# Altium PCB M2FS FLS Data Formatter 8_14_2012.PcbDoc (part 3 of 3)
Units mil, origin at the board's own origin, x right, y up, seen from the top; angles counter-clockwise.
Board outline 3350 x 3370 mil, 8 copper layers (Top Layer, Internal Plane 1, Mid-Layer 1, Mid-Layer 2, MidLayer3, Mid-Layer 4, Internal Plane 2, Bottom Layer), stack 60.7 mil thick; 134 components, 130 nets, 795 pads, 50 vias.
Unrouted connection lines stored in the file: 81.
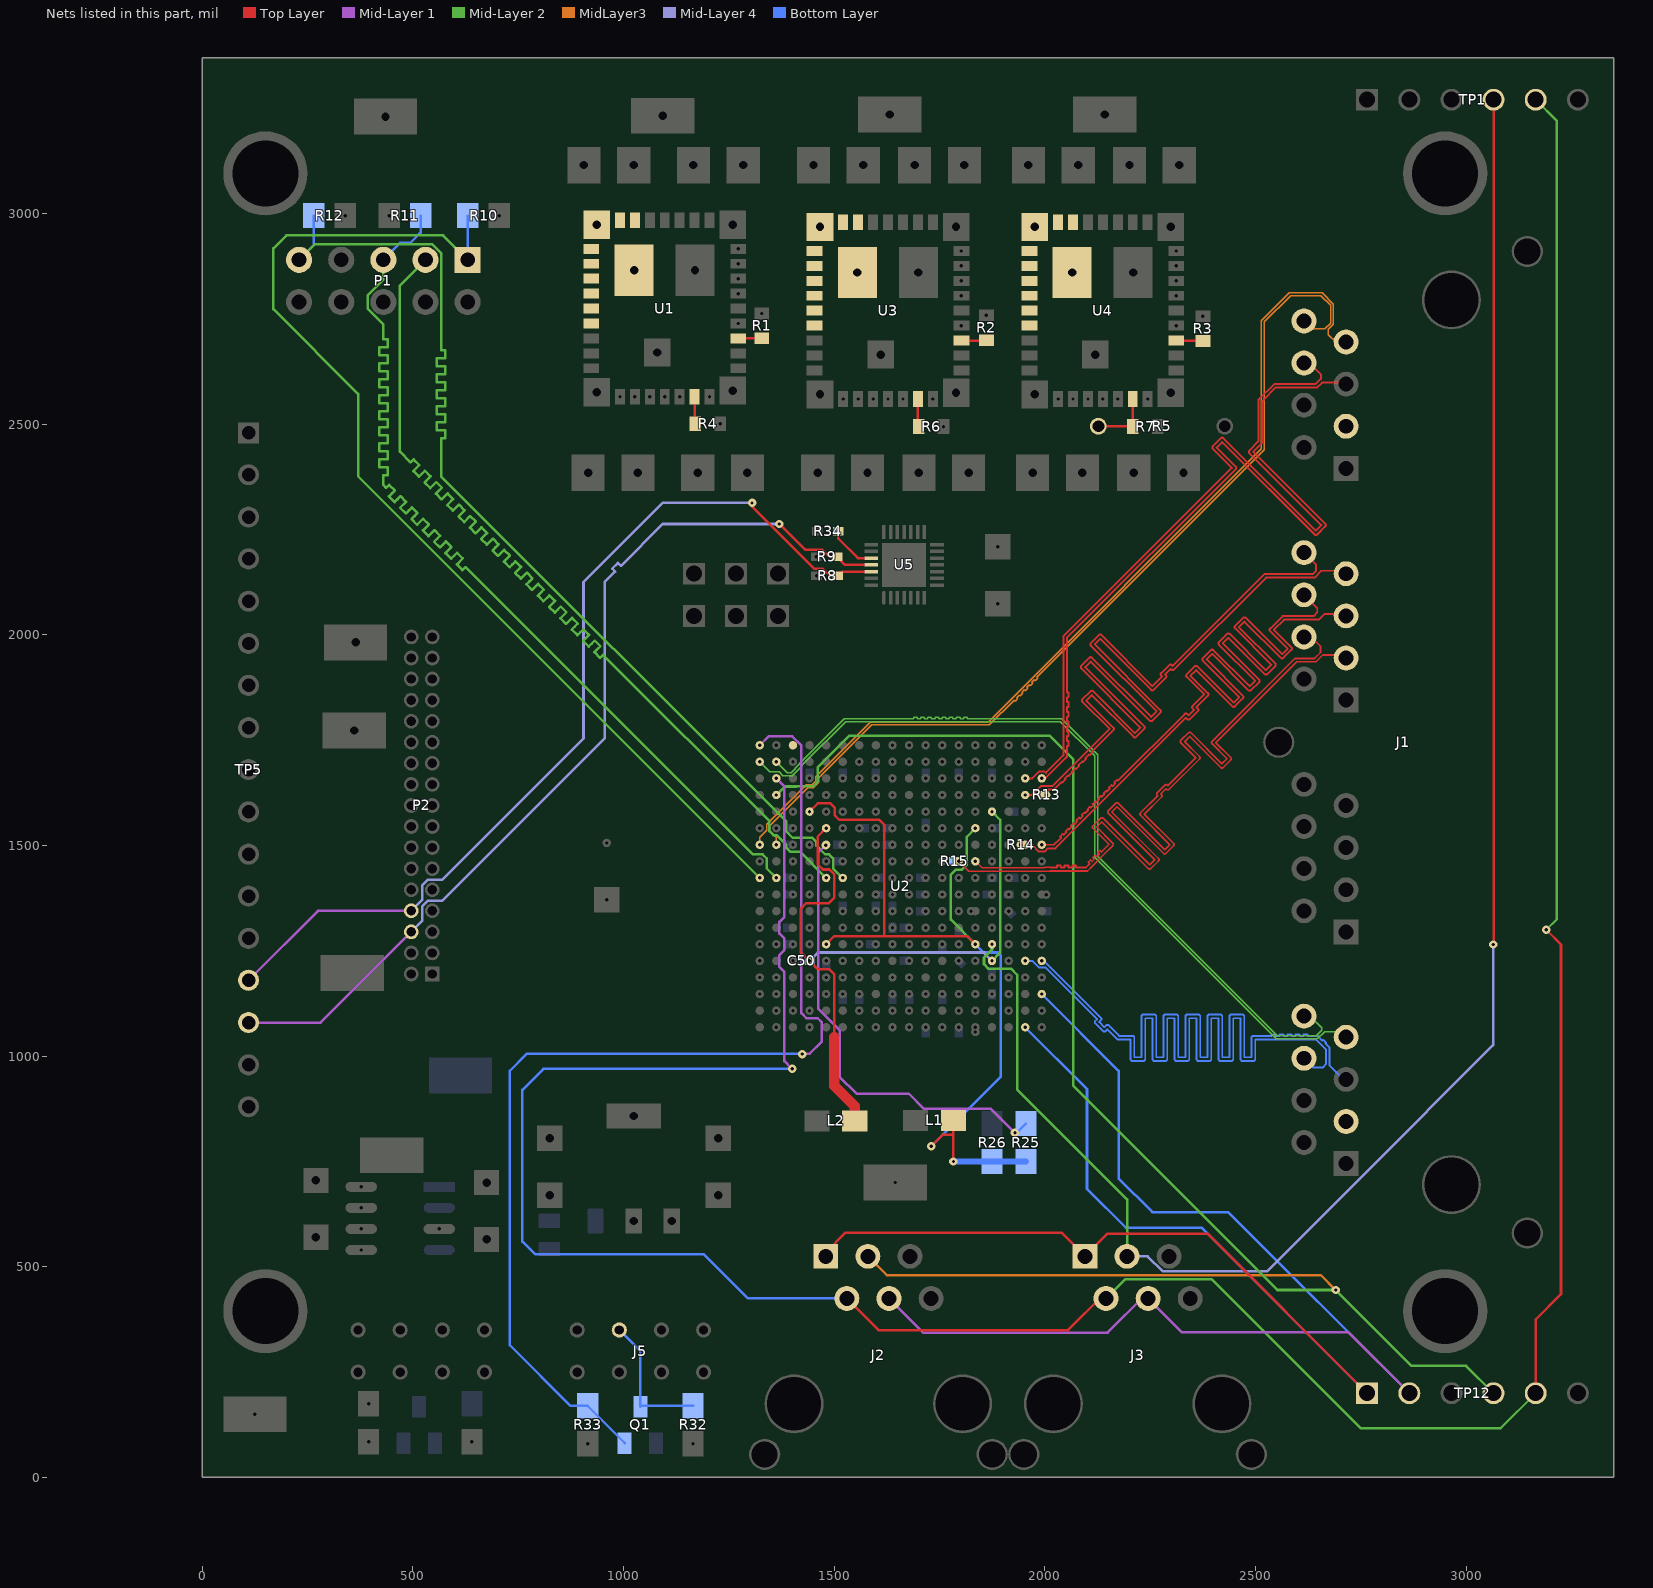
[diagram p9: the nets of this part, all layers, seen from the top]

## Via types
v1: diameter 20, hole 8, Top Layer to Bottom Layer, 49 vias
v2: diameter 20, hole 8, Top Layer to Bottom Layer, tented bottom, 1 vias

## Nets (pads, with @x,y where several pads share a name; then routed paths per layer and width w, separated by ;. In a path a pad name is that pad's centre, name@x,y a point inside that pad or via, vN(x,y) a via of type N, cw(c..) or ccw(c..) an arc to the next point about the centre after c; other vN are vias at no path point) (continued)
LVDS_CHANNEL_6_N: J1.C6 U2.H14 | length 2011.5
  Top Layer w4: U2.H14@1835.17,1462.37 1850.67,1446.87 1999.07,1446.87 2000.2,1448 2013,1448 ; 2097.69,1448 2106.17,1456.49 2102.64,1460.02 2108.29,1465.68 2111.83,1462.14 2117.49,1467.8 2113.95,1471.33 2119.61,1476.99 2123.14,1473.46 2128.8,1479.11 2125.26,1482.65 2130.92,1488.31 2134.46,1484.77 2152.35,1502.67 2114.29,1540.73 cw(c2117.26,1543.7) 2114.29,1546.66 2132.24,1564.62 cw(c2135.21,1561.65) 2138.17,1564.62 2248.58,1454.21 2260.6,1466.23 2150.2,1576.64 cw(c2153.16,1579.6) 2150.2,1582.57 2168.15,1600.52 cw(c2171.11,1597.56) 2174.08,1600.52 2284.49,1490.12 2296.51,1502.14 2227.13,1571.51 cw(c2230.1,1574.48) 2227.13,1577.44 2267.85,1618.17 2266.58,1619.44 ; 2266.57,1619.45 cw(c2269.54,1622.41) 2266.58,1625.38 2284.53,1643.33 cw(c2287.5,1640.36) 2290.45,1643.34 ; 2290.47,1643.32 2291.74,1642.05 2358,1708.31 2322.78,1743.53 cw(c2325.74,1746.49) 2322.78,1749.46 2340.73,1767.41 cw(c2343.7,1764.45) 2346.66,1767.41 2420.06,1694.01 2432.08,1706.03 2396.87,1741.25 cw(c2399.83,1744.21) 2396.87,1747.18 2593.69,1944 2640,1944 2654,1958 2654,1973 2632,1995 2615,1995
  Top Layer w4.55: 2013,1448 2028.55,1448 2028.55,1453 2037.65,1453 2037.65,1448 2046.75,1448 2046.75,1453 2055.85,1453 2055.85,1448 2064.95,1448 2064.95,1453 2074.05,1453 2074.05,1448 2097.69,1448
LVDS_CHANNEL_6_P: J1.C3 R15.2 U2.H13 | length 2011.3
  Top Layer w4: U2.H13@1795.8,1462.37 1819.17,1439 1847.22,1439 1847.35,1438.87 2012.42,1438.87 2013,1439.45 ; 2101,1439.45 2112.1,1450.55 2140.39,1478.84 2161.25,1499.7 ccw(c2158.29,1502.67) 2162.48,1502.67 ccw(c2158.29,1502.67) 2161.25,1505.63 2123.19,1543.7 2135.21,1555.72 2245.61,1445.31 ccw(c2248.58,1448.28) 2251.55,1445.31 2269.5,1463.26 ccw(c2266.53,1466.23) 2270.73,1466.23 ccw(c2266.53,1466.23) 2269.5,1469.2 2159.09,1579.6 2171.11,1591.62 2281.52,1481.22 ccw(c2284.49,1484.18) 2287.45,1481.22 2305.4,1499.17 ccw(c2302.44,1502.14) 2306.63,1502.14 ccw(c2302.44,1502.14) 2305.4,1505.1 2236.03,1574.48 2276.75,1615.2 ccw(c2273.79,1618.17) 2277.98,1618.17 ccw(c2273.79,1618.17) 2276.74,1621.14 2275.47,1622.41 2287.5,1634.43 2288.76,1633.16 ccw(c2291.74,1636.12) 2294.7,1633.15 2366.89,1705.34 ccw(c2363.93,1708.31) 2368.12,1708.31 ccw(c2363.93,1708.31) 2366.89,1711.28 2331.68,1746.49 2343.7,1758.51 2417.1,1685.11 ccw(c2420.06,1688.08) 2423.03,1685.11 2440.98,1703.06 ccw(c2438.02,1706.03) 2442.21,1706.03 ccw(c2438.02,1706.03) 2440.98,1709 2405.76,1744.21 2597.55,1936 2643.31,1936 2659.31,1952 2708,1952 J1.C3@2715,1945
  Top Layer w4.55: 2013,1439.45 2101,1439.45
  MidLayer3 w3.5: J1.C3@2704,1956 J1.C3@2715,1945
LVDS_CHANNEL_7_N: J1.C4 U2.G18 | length 2009.7
  Top Layer w4.55: U2.G18@1992.65,1501.74 2021.26,1501.74 2038.35,1518.83 2036.23,1520.95 2042.66,1527.38 2044.78,1525.26 2051.22,1531.7 2049.09,1533.82 2055.53,1540.25 2057.65,1538.13 2064.09,1544.57 2061.96,1546.69 2068.4,1553.12 2070.52,1551 2076.95,1557.43 2074.83,1559.56 2081.27,1565.99 2083.39,1563.87 2089.82,1570.3 2087.7,1572.43 2094.14,1578.86 2096.26,1576.74 2102.69,1583.17 2100.57,1585.29 2107.01,1591.73 2109.13,1589.61 2115.56,1596.04 2113.44,1598.16 2119.88,1604.6 2122,1602.48 2128.43,1608.91 2126.31,1611.03 2132.75,1617.47 2134.87,1615.35 2141.3,1621.78 2139.18,1623.9 2145.61,1630.34 2147.74,1628.22 2154.17,1634.65 2152.05,1636.77 2158.48,1643.21 2160.61,1641.09 2167.04,1647.52 2164.92,1649.64 2171.35,1656.08 2173.47,1653.95 2331.52,1812 cw(c2334.54,1808.97) 2337.56,1812 2340.9,1808.66 2354.02,1821.77 2350.68,1825.11 cw(c2353.7,1828.14) 2350.68,1831.16 2378.09,1858.58 2336.55,1900.12 cw(c2339.57,1903.15) 2336.55,1906.17 2355.71,1925.33 cw(c2358.73,1922.31) 2361.76,1925.33 2447.87,1839.21 2460.99,1852.33 2374.87,1938.45 cw(c2377.89,1941.47) 2374.87,1944.49 2394.03,1963.66 cw(c2397.06,1960.63) 2400.08,1963.66 2486.2,1877.54 2499.32,1890.65 2413.2,1976.77 cw(c2416.22,1979.8) 2413.2,1982.82 2432.36,2001.98 cw(c2435.38,1998.96) 2438.41,2001.98 2524.52,1915.86 2537.64,1928.98 2451.52,2015.1 cw(c2454.55,2018.12) 2451.52,2021.14 2470.68,2040.31 cw(c2473.71,2037.28) 2476.73,2040.31 2562.85,1954.19 2575.97,1967.3 2534.42,2008.85 cw(c2537.44,2011.88) 2534.42,2014.9 2564.07,2044.55 2638.1,2044.55 2646.55,2053 2646.55,2063.45 2615,2095
LVDS_CHANNEL_7_P: J1.C5 R14.2 U2.G17 | length 2009.9
  Top Layer w4.55: U2.G17@1953.28,1501.74 1969.63,1501.74 1985.9,1485.47 1999.39,1485.47 2007.11,1493.19 2017.72,1493.19 2024.8,1493.19 2334.54,1802.93 2337.88,1799.59 ccw(c2340.9,1802.61) 2343.93,1799.59 2363.09,1818.75 ccw(c2360.07,1821.77) 2364.34,1821.77 ccw(c2360.07,1821.77) 2363.09,1824.79 2359.75,1828.14 2387.16,1855.55 ccw(c2384.14,1858.58) 2388.42,1858.58 ccw(c2384.14,1858.58) 2387.16,1861.6 2345.62,1903.15 2358.73,1916.26 2444.85,1830.14 ccw(c2447.87,1833.17) 2450.9,1830.14 2470.06,1849.31 ccw(c2467.04,1852.33) 2471.31,1852.33 ccw(c2467.04,1852.33) 2470.06,1855.35 2383.94,1941.47 2397.06,1954.59 2483.18,1868.47 ccw(c2486.2,1871.49) 2489.22,1868.47 2508.39,1887.63 ccw(c2505.36,1890.65) 2509.64,1890.65 ccw(c2505.36,1890.65) 2508.39,1893.68 2422.27,1979.8 2435.38,1992.91 2521.5,1906.79 ccw(c2524.52,1909.82) 2527.55,1906.79 2546.71,1925.96 ccw(c2543.69,1928.98) 2547.96,1928.98 ccw(c2543.69,1928.98) 2546.71,1932 2460.59,2018.12 2473.71,2031.24 2559.83,1945.12 ccw(c2562.85,1948.14) 2565.87,1945.12 2585.04,1964.28 ccw(c2582.01,1967.3) 2586.29,1967.3 ccw(c2582.01,1967.3) 2585.04,1970.33 2543.49,2011.88 2567.61,2036 2650.09,2036 2663.05,2048.95 2711.04,2048.95 J1.C5@2715,2045
LVDS_CHANNEL_8_N: J1.C7 R13.1 U2.D18 | length 2011.1
  Top Layer w4.55: U2.D18@1992.65,1619.85 1997.82,1625.03 2005.8,1633 2022,1633 2039.25,1650.25 2040.66,1648.84 2048.83,1657 2047.42,1658.42 2055.58,1666.58 2057,1665.17 2065.17,1673.34 2063.75,1674.75 2071.92,1682.92 2073.33,1681.5 2081.5,1689.67 2080.09,1691.09 2088.25,1699.25 2089.67,1697.84 2097.83,1706.01 2096.42,1707.42 2104.59,1715.59 2106,1714.17 2114.17,1722.34 2112.75,1723.75 2162.58,1773.58 ccw(c2159.56,1776.6) 2163.83,1776.6 ccw(c2159.56,1776.6) 2162.58,1779.63 2098.33,1843.88 2111.44,1857 2210.74,1757.71 ccw(c2213.76,1760.73) 2216.78,1757.71 2235.94,1776.87 ccw(c2232.92,1779.89) 2237.2,1779.89 ccw(c2232.92,1779.89) 2235.94,1782.91 2095.4,1923.45 2108.52,1936.57 2249.06,1796.03 ccw(c2252.08,1799.05) 2255.11,1796.03 2274.27,1815.19 ccw(c2271.25,1818.22) 2275.52,1818.22 ccw(c2271.25,1818.22) 2274.27,1821.24 2118.29,1977.22 2131.41,1990.33 2252.35,1869.39 ccw(c2255.37,1872.42) 2258.39,1869.39 2287.08,1898.08 ccw(c2284.06,1901.1) 2288.33,1901.1 ccw(c2284.06,1901.1) 2287.08,1904.13 2285.15,1906.05 2298.27,1919.17 2300.2,1917.24 ccw(c2303.22,1920.27) 2306.24,1917.24 2525,2136 2640,2136 2656,2152 2708,2152 J1.C7@2715,2145
LVDS_CHANNEL_8_P: J1.C8 U2.D17 | length 2011.5
  Top Layer w4.55: U2.D17@1953.28,1619.85 1969.63,1619.85 1991.33,1641.55 2018.46,1641.55 2153.51,1776.6 2089.26,1840.86 cw(c2092.28,1843.88) 2089.26,1846.9 2108.42,1866.07 cw(c2111.44,1863.04) 2114.47,1866.07 2213.76,1766.77 2226.88,1779.89 2086.34,1920.43 cw(c2089.36,1923.45) 2086.34,1926.48 2105.5,1945.64 cw(c2108.52,1942.62) 2111.54,1945.64 2252.08,1805.1 2265.2,1818.22 2109.22,1974.19 cw(c2112.25,1977.22) 2109.22,1980.24 2128.39,1999.4 cw(c2131.41,1996.38) 2134.43,1999.4 2255.37,1878.46 2278.01,1901.1 2276.09,1903.03 cw(c2279.11,1906.05) 2276.09,1909.08 2295.25,1928.24 cw(c2298.27,1925.22) 2301.29,1928.24 2303.22,1926.31 2518.95,2142.05 2521.46,2144.55 2636.46,2144.55 2643.95,2152.05 2643.95,2166.04 J1.C8@2615,2195
NetL1_2: C50.1 L2.2 U2.E15 U2.F5 U2.P4 U2.P15 | length 1681
  Top Layer w6: U2.F5@1480.83,1541.11 1461,1521.28 1461,1455.33 1473.33,1443 1488.83,1443 1499.83,1432 1499.83,1375.76 1487.33,1363.26 1433.59,1363.26 1422.46,1352.13 1422.46,1351.37 1421.09,1350 1421.09,1246.52 U2.P4@1441.46,1226.15 1461.83,1205.78 1488.7,1205.78 1500,1194.48 1500,1045
  Top Layer w25: 1500,1045 1500,930 1549,881 L2.2@1549,846.31
  Mid-Layer 2 w6: U2.P15@1874.54,1226.15 1894,1245.61 1894,1561.02 U2.E15@1874.54,1580.48
  Mid-Layer 4 w6: U2.P4@1441.46,1226.15 1461.32,1246 1854.68,1246 U2.P15@1874.54,1226.15
NetL2_2: L1.2 R25.2 R26.2 U2.E4 U2.F14 U2.N5 U2.N14 | length 2110.7
  Top Layer w6: U2.E4@1441.46,1580.48 1460.98,1600 1491,1600 1501,1590 1501,1572 1512,1561 1607,1561 1619,1549 1619,1285.52 1620,1284.52 ; U2.N5@1480.83,1265.52 1499.83,1284.52 1620,1284.52 ; v1(1730,786) 1757,813 1782,813 1783,814 ; v1(1783,750) 1783,814 ; L1.2@1783,847.31 1783,814 ; U2.N14@1835.17,1265.52 1816.17,1284.52 1620,1284.52
  Mid-Layer 2 w6: U2.N14@1835.17,1265.52 1776.8,1323.89 1776.8,1430.87 1787.93,1442 1802.3,1442 1814.8,1454.5 1814.8,1520.74 U2.F14@1835.17,1541.11
  Bottom Layer w6: v1(1730,786) 1895,951 1895,1239 1888,1246 1854.68,1246 U2.N14@1835.17,1265.52
  Bottom Layer w15: v1(1783,750) R26.2@1875,750 R25.2@1955,750
NetR1_1: R1.1 U1.4 | length 56
  Top Layer w6: U1.4@1272.05,2703.58 1327.89,2703.58 R1.1@1328,2703.47
NetR2_1: R2.1 U3.4 | length 59.5
  Top Layer w6: U3.4@1801.93,2698.47 1859.99,2698.47 R2.1@1861,2699.47
NetR3_1: R3.1 U4.4 | length 63.5
  Top Layer w6: U4.4@2311.93,2698.47 2374.01,2698.47 R3.1@2375,2697.47
NetR4_1: R4.1 U1.35 | length 64.5
  Top Layer w6: U1.35@1168.7,2564.8 1168.7,2502.77 R4.1@1170.47,2501
NetR5_2: R5.2 R7.1 U4.35 | length 147.6
  Top Layer w6: R5.2@2127,2495 2207.47,2495 R7.1@2208.47,2494 2208.58,2494.11 U4.35@2208.58,2559.69
NetR6_1: R6.1 U3.35 | length 66.5
  Top Layer w6: U3.35@1698.58,2559.69 1698.58,2495.89 R6.1@1700.47,2494
NRESET: R34.1 U5.24 | length 115.1
  Top Layer w6: R34.1@1510,2246 1510,2227.99 1555.99,2182 U5.24@1588,2182
nSTATUS: R25.1 U2.G5 | length 1086.1
  Top Layer w6: v1(1480,1501) 1480.09,1501 U2.G5@1480.83,1501.74
  Mid-Layer 1 w6: v1(1480,1501) 1461.83,1482.83 1461.83,1113.17 1513,1062 1513,951 1553,911 1677,911 1713,875 1872,875 v1(1929,818)
  Bottom Layer w6: v1(1929,818) 1933,818 R25.1@1955,840
PDWN: J2.2 J3.2 TP1.5 TP12.5 U2.C2 | length 7615.1
  Top Layer w6: J2.2@1530,425 1605,350 2055,350 2137.5,432.5 J3.2@2145,440 ; TP12.5@3165,200 3165,375 3225,435 3225,1265 v1(3190,1300)
  Mid-Layer 1 w6: U2.C2@1362.72,1659.22 1382,1639.94 1382,1330.65 1369.96,1318.62 1369.96,1291.04 1382,1279 1382,1251.91 1369.96,1239.88 1369.96,1212.04 1382,1200 1382,988 v1(1400,970)
  Mid-Layer 2 w6: J3.2@2145,425 2191,471 2395.53,471 2749.53,117 3082,117 TP12.5@3165,200 ; TP1.5@3165,3270 3215,3220 3215,1325 v1(3190,1300)
  Bottom Layer w6: v1(1400,970) 810,970 760,920 760,560 790,530 1190,530 1295,425 J2.2@1530,425
PH1: U1.17 U1.18 U1.19 U1.20 U1.21 U1.22 U1.23 U1.24 U1.25 U1.39
PH2: U3.17 U3.18 U3.19 U3.20 U3.21 U3.22 U3.23 U3.24 U3.25 U3.39
PH3: U4.17 U4.18 U4.19 U4.20 U4.21 U4.22 U4.23 U4.24 U4.25 U4.39
PLL_LOCK_A: J2.3 TP12.4 U2.D2 | length 4023.3
  Mid-Layer 2 w6: U2.D2@1362.72,1619.85 1382.87,1640 1410,1640 1410.22,1640.22 1449.33,1640.22 1460.46,1651.35 1460.46,1685 1535.46,1760 2012,1760 2067,1705 2067,930 2552,445 v1(2690,445) 2870,265 3000,265 TP12.4@3065,200
  MidLayer3 w6: J2.3@1580,525 1625,480 2655,480 v1(2690,445)
PLL_LOCK_B: J3.3 TP1.4 U2.N15 | length 4252
  Top Layer w6: v1@3065,1269 TP1.4@3065,3270
  Mid-Layer 2 w6: U2.N15@1874.54,1265.52 1874.54,1253.02 1855.54,1234.02 1855.54,1218.28 1866.67,1207.15 1920.41,1207.15 1934.28,1193.28 1934.28,920.72 2195,660 J3.3@2195,540
  Mid-Layer 4 w6: J3.3@2195,525 2244.05,525 2280.08,488.97 2527.22,488.97 2751.03,712.78 2751.03,713.03 3064,1026 v1(3064,1265)
SCL: P2.8 R8.1 TP5.14 U5.26 | length 2265.1
  Top Layer w6: v1(1305,2313) 1305,2304.67 1453.17,2156.5 1473.19,2156.5 1489.69,2140 R8.1@1508,2140 1518,2150 U5.26@1588,2150
  Mid-Layer 1 w6: TP5.14@110,1180.2 274.8,1345 P2.8@496,1345
  Mid-Layer 4 w6: P2.8@496,1345 522,1371 522,1404.94 536.06,1419 570,1419 905,1754 905,2125 1093,2313 v1(1305,2313)
SDA: P2.6 R9.2 TP5.15 U5.25 | length 2265.5
  Top Layer w6: v1(1370,2263) 1431.5,2201.5 1472.19,2201.5 1488.69,2185 R9.2@1507,2185 1526,2166 U5.25@1588,2166
  Mid-Layer 1 w6: TP5.15@110,1079.8 280.8,1079.8 P2.6@496,1295
  Mid-Layer 4 w6: P2.6@496,1295 522,1321 522,1354.94 536.06,1369 570,1369 955,1754 955,2125 980.22,2150.22 973.15,2157.29 986.58,2170.72 993.65,2163.65 1093,2263 v1(1370,2263)
START_A_N: J1.A7 U2.B1 | length 1925
  Mid-Layer 2 w3.5: U2.B1@1323.35,1698.59 1347.47,1674.47 1369.04,1674.47 1377.51,1666 1400.97,1666 1424.34,1689.37 1424.34,1691.44 1526.9,1794 2037,1794 2118,1713 2118,1472 2549.05,1040.95 2646.85,1040.95 2664,1058.1 2701.9,1058.1 J1.A7@2715,1045
START_A_P: J1.A8 U2.B2 | length 1925.2
  Mid-Layer 2 w3.5: U2.B2@1362.72,1698.59 1388.31,1673 1398.07,1673 1417.34,1692.27 1417.34,1694.34 1524,1801 1688.25,1801 1688.25,1804 1696.75,1804 1696.75,1801 1705.25,1801 1705.25,1804 1713.75,1804 1713.75,1801 1722.25,1801 1722.25,1804 1730.75,1804 1730.75,1801 1739.25,1801 1739.25,1804 1747.75,1804 1747.75,1801 1756.25,1801 1756.25,1804 1764.75,1804 1764.75,1801 1773.25,1801 1773.25,1804 1781.75,1804 1781.75,1801 1790.25,1801 1790.25,1804 1798.75,1804 1798.75,1801 1807.25,1801 1807.25,1804 1815.75,1804 1815.75,1801 2039.9,1801 2125,1715.9 2125,1474.9 2551.95,1047.95 2643.95,1047.95 2657,1061 2657,1067 2629,1095 J1.A8@2615,1095
START_B_N: J1.D7 U2.G1 | length 2245.3
  MidLayer3 w3.5: U2.G1@1323.35,1501.74 1323.35,1519.54 1340.47,1536.66 1340.47,1550.33 1434.12,1643.97 1447.78,1643.97 1456.71,1652.9 1456.71,1663.61 1586.1,1793 1865.1,1793 2514.05,2441.95 2514.05,2745.9 2578.1,2809.95 2580.15,2812 2657.9,2812 2685,2784.9 2685,2737.1 2673,2725.1 2673,2712 2690,2695 J1.D7@2715,2695
START_B_P: J1.D8 U2.G2 | length 2246
  MidLayer3 w3.5: U2.G2@1362.72,1501.74 1362.72,1519.54 1347.47,1534.79 1347.47,1547.43 1437.02,1636.97 1450.68,1636.97 1463.71,1650 1463.71,1660.71 1589,1786 1868,1786 1927.02,1845.02 1929.14,1842.89 1935.15,1848.9 1933.03,1851.03 1939.04,1857.04 1941.16,1854.92 1947.17,1860.93 1945.05,1863.05 1951.06,1869.06 1953.18,1866.94 1959.19,1872.95 1957.07,1875.07 1963.08,1881.08 1965.2,1878.96 1971.21,1884.97 1969.09,1887.09 1975.1,1893.1 1977.22,1890.98 1983.23,1896.99 1981.11,1899.11 2521.05,2439.05 2521.05,2743 2583.05,2805 2655,2805 2678,2782 2678,2740 2664,2726 2634,2726 J1.D8@2615,2745
SYS_CLK1_N: J1.A3 U2.P18 | length 2011
  Bottom Layer w4.55: U2.P18@1992.65,1226.15 1997.85,1226.15 2134.07,1089.93 2134.07,1086.39 2128.77,1081.09 2141.18,1068.68 2146.48,1073.98 2150.02,1073.98 2176,1048 2209.62,1048 2212.12,1045.5 2212.12,997.46 2229.68,997.46 2229.68,1096.03 2232.18,1098.54 2261.82,1098.54 2264.32,1096.03 2264.32,997.46 2281.88,997.46 2281.88,1096.03 2284.38,1098.54 2314.02,1098.54 2316.53,1096.03 2316.53,997.46 2334.07,997.46 2334.07,1096.03 2336.58,1098.54 2366.22,1098.54 2368.72,1096.03 2368.72,997.46 2386.28,997.46 2386.28,1096.03 2388.78,1098.54 2418.42,1098.54 2420.93,1096.03 2420.93,997.46 2438.47,997.46 2438.47,1096.03 2440.98,1098.54 2470.62,1098.54 2473.12,1096.03 2473.12,997.46 2490.68,997.46 2490.68,1045.5 2493.18,1048 2537.72,1048 2537.72,1051 2547.27,1051 2547.27,1048 2556.82,1048 2556.82,1051 2566.37,1051 2566.37,1048 2575.92,1048 2575.92,1051 2585.47,1051 2585.47,1048 2595.02,1048 2595.02,1051 2604.57,1051 2604.57,1048 2614.12,1048 2614.12,1051 2623.67,1051 2623.67,1048 2647.54,1048 2658.67,1036.87 2660.79,1038.99 2667.54,1032.24 2665.42,1030.12 2675.55,1019.99 2675.55,977.46 2708.01,945 2715,945
SYS_CLK1_P: J1.A6 U2.P17 | length 2011.8
  Bottom Layer w4.55: U2.P17@1953.28,1226.15 1970.34,1226.15 1986.11,1210.37 2001.54,1210.37 2123.75,1088.16 2118.45,1082.86 2118.45,1079.32 2139.41,1058.36 2142.95,1058.36 2148.25,1063.66 2172.46,1039.45 2203.57,1039.45 2203.57,991.42 2206.08,988.91 2235.72,988.91 2238.22,991.42 2238.22,1089.99 2255.78,1089.99 2255.78,991.42 2258.28,988.91 2287.92,988.91 2290.43,991.42 2290.43,1089.99 2307.97,1089.99 2307.97,991.42 2310.48,988.91 2340.12,988.91 2342.62,991.42 2342.62,1089.99 2360.18,1089.99 2360.18,991.42 2362.68,988.91 2392.32,988.91 2394.82,991.42 2394.82,1089.99 2412.38,1089.99 2412.38,991.42 2414.88,988.91 2444.52,988.91 2447.03,991.42 2447.03,1089.99 2464.57,1089.99 2464.57,991.42 2467.08,988.91 2496.72,988.91 2499.22,991.42 2499.22,1039.45 2644,1039.45 2667,1016.45 2667,981 2659,973 2637,973 J1.A6@2615,995
SYS_CLK2_N: J1.D3 U2.C18 | length 2007.5
  Top Layer w4.55: U2.C18@1992.65,1659.22 2001.22,1659.22 2050,1708 2052.5,1710.5 2052.5,1736.32 2056.5,1736.32 2056.5,1747.88 2052.5,1747.88 2052.5,1759.43 2056.5,1759.43 2056.5,1770.97 2052.5,1770.97 2052.5,1782.53 2056.5,1782.53 2056.5,1794.07 2052.5,1794.07 2052.5,1805.62 2056.5,1805.62 2056.5,1817.18 2052.5,1817.18 2052.5,1828.72 2056.5,1828.72 2056.5,1840.28 2052.5,1840.28 2052.5,1851.82 2056.5,1851.82 2056.5,1863.38 2052.5,1863.38 2052.5,1992.5 2453.09,2393.09 ccw(c2450.07,2396.12) 2454.35,2396.12 ccw(c2450.07,2396.12) 2453.09,2399.14 2407.77,2444.46 2420.89,2457.58 2640.36,2238.1 ccw(c2643.39,2241.13) 2646.41,2238.1 2665.57,2257.27 ccw(c2662.55,2260.29) 2666.82,2260.29 ccw(c2662.55,2260.29) 2665.57,2263.31 2494.44,2434.44 2515.55,2455.55 2515.55,2554 2548.55,2587 2646.54,2587 2658,2598.46 2711.54,2598.46 2715,2595
SYS_CLK2_P: J1.D6 U2.C17 | length 2005.4
  Top Layer w4.55: U2.C17@1953.28,1659.22 1969.63,1659.22 1985.9,1675.49 1999.39,1675.49 2002.4,1672.49 2043.95,1714.05 2043.95,1996.05 2444.02,2396.12 2398.7,2441.44 cw(c2401.72,2444.46) 2398.7,2447.49 2417.86,2466.65 cw(c2420.89,2463.63) 2423.91,2466.65 2643.39,2247.17 2656.5,2260.29 2485.37,2431.42 cw(c2488.4,2434.44) 2485.37,2437.46 2507,2459.09 2507,2557.54 2545.01,2595.55 2643,2595.55 2655,2607.55 2655,2618 2628,2645 J1.D6@2615,2645
T18: J2.4 J3.4 TP12.2 U2.T18 | length 2815.7
  Mid-Layer 1 w6: J2.4@1630,425 1711,344 2149,344 2237.5,432.5 J3.4@2245,440 ; J3.4@2245,425 2325.5,344.5 2720.5,344.5 TP12.2@2865,200
  Bottom Layer w6: U2.T18@1992.65,1147.41 2175,965.05 2175,710 2255,630 2435,630 TP12.2@2865,200
TCK: P1.1 R10.2 U2.J1 | length 2575.3
  Mid-Layer 2 w6: P1.1@630,2890 572,2948 200,2948 169,2917 169,2773 370,2572 370,2376.35 U2.J1@1323.35,1423
  Bottom Layer w6: P1.1@630,2890 630,2994.4 R10.2@630.6,2995
TDI: P1.9 R12.2 U2.J6 | length 2611.6
  Mid-Layer 2 w6: P1.9@230,2890 267.5,2927.5 545.53,2927.5 567.5,2905.53 567.5,2760.97 567,2760.47 567,2675.5 577,2675.5 577,2656.5 557,2656.5 557,2637.5 577,2637.5 577,2618.5 557,2618.5 557,2599.5 577,2599.5 577,2580.5 557,2580.5 557,2561.5 577,2561.5 577,2542.5 557,2542.5 557,2523.5 577,2523.5 577,2504.5 557,2504.5 557,2485.5 577,2485.5 577,2466.5 567,2466.5 567,2376.2 1385.59,1557.61 1385.59,1534.28 1401.63,1518.24 1448.3,1518.24 1457.96,1508.57 1457.96,1499.7 1478.8,1478.87 1487.67,1478.87 1497.33,1469.2 1497.33,1445.87 U2.J6@1520.2,1423
  Bottom Layer w6: P1.9@230,2890 264.6,2924.6 R12.2@264.6,2995
TDO: P1.3 U2.J5 | length 2609.3
  Mid-Layer 2 w6: P1.3@530,2890 469,2829 469,2434.83 494.63,2409.2 501.71,2416.27 515.14,2402.84 508.07,2395.76 501,2388.69 514.43,2375.26 521.5,2382.33 528.58,2389.4 542.01,2375.97 527.87,2361.82 541.3,2348.39 548.37,2355.46 555.45,2362.53 568.88,2349.1 561.81,2342.02 554.74,2334.95 568.17,2321.52 582.32,2335.66 595.75,2322.23 581.61,2308.08 595.04,2294.65 602.11,2301.72 609.19,2308.79 622.62,2295.36 615.55,2288.28 608.48,2281.21 621.91,2267.78 636.06,2281.92 649.49,2268.49 642.42,2261.41 635.35,2254.34 648.78,2240.91 655.85,2247.98 662.93,2255.05 676.36,2241.62 662.22,2227.47 675.65,2214.04 682.72,2221.11 689.8,2228.18 703.23,2214.75 696.16,2207.67 689.09,2200.6 702.52,2187.17 709.6,2194.24 716.67,2201.31 730.1,2187.88 715.96,2173.73 729.39,2160.3 736.46,2167.37 743.54,2174.44 756.97,2161.01 749.9,2153.93 742.83,2146.86 756.26,2133.43 770.41,2147.57 783.84,2134.13 776.77,2127.06 769.7,2119.99 783.13,2106.56 790.21,2113.63 797.28,2120.7 810.71,2107.26 803.64,2100.19 796.57,2093.12 810,2079.69 824.15,2093.83 837.58,2080.39 830.51,2073.32 823.44,2066.25 836.87,2052.82 843.95,2059.89 851.02,2066.96 864.45,2053.52 850.31,2039.38 863.74,2025.95 870.82,2033.02 877.89,2040.09 891.32,2026.65 884.25,2019.58 877.18,2012.51 890.61,1999.08 897.69,2006.15 904.76,2013.22 918.19,1999.78 904.05,1985.64 917.48,1972.21 924.56,1979.28 931.63,1986.35 945.06,1972.91 937.99,1965.84 930.92,1958.77 944.35,1945.34 951.43,1952.41 1346.22,1557.61 1346.22,1534.28 1355.89,1524.61 1363.19,1524.61 1385.59,1502.2 1385.59,1494.91 1395.26,1485.24 1418.59,1485.24 U2.J5@1480.83,1423
TMS: P1.5 R11.2 U2.J2 | length 2673.8
  Mid-Layer 2 w6: P1.5@430,2890 430,2843.03 392.5,2805.53 392.5,2774.47 430,2736.97 430,2701.5 440,2701.5 440,2682.5 420,2682.5 420,2663.5 440,2663.5 440,2644.5 420,2644.5 420,2625.5 440,2625.5 440,2606.5 420,2606.5 420,2587.5 440,2587.5 440,2568.5 420,2568.5 420,2549.5 440,2549.5 440,2530.5 420,2530.5 420,2511.5 440,2511.5 440,2492.5 420,2492.5 420,2473.5 440,2473.5 440,2454.5 420,2454.5 420,2435.5 440,2435.5 440,2416.5 420,2416.5 420,2397.5 440,2397.5 440,2378.5 430,2378.5 430,2355.67 436.72,2348.95 443.79,2356.02 457.22,2342.58 450.15,2335.51 443.08,2328.44 456.52,2315.01 463.59,2322.08 470.66,2329.15 484.09,2315.71 469.95,2301.57 483.39,2288.14 490.46,2295.21 497.53,2302.28 510.96,2288.84 503.89,2281.77 496.82,2274.7 510.26,2261.27 524.4,2275.41 537.83,2261.97 523.69,2247.83 537.13,2234.4 544.2,2241.47 551.27,2248.54 564.7,2235.1 557.63,2228.03 550.56,2220.96 564,2207.53 578.14,2221.67 591.57,2208.23 584.5,2201.16 577.43,2194.09 590.87,2180.66 597.94,2187.73 605.01,2194.8 618.44,2181.36 604.3,2167.22 617.74,2153.79 624.81,2160.86 1306.8,1478.87 1330.19,1478.87 1339.85,1469.2 1339.85,1445.87 U2.J2@1362.72,1423
  Bottom Layer w6: P1.5@430,2890 471,2931 495,2931 518.4,2954.4 R11.2@518.4,2995
V17: J2.1 J3.1 TP12.1 U2.V17 | length 2826.4
  Top Layer w6: J2.1@1480,525 1480,534 1527,581 2039,581 J3.1@2095,525 2149,579 2386,579 TP12.1@2765,200
  Bottom Layer w6: U2.V17@1953.28,1068.67 2100,921.94 2100,685 2192,593 2372,593 TP12.1@2765,200
Vs: U2.A3
Vsyn: J5.6 Q1.3 R32.2 | length 328.1
  Bottom Layer w6: J5.6@990,350 1040,300 Q1.3@1040,168.31 1041.69,170 R32.2@1165,170
Vsync: Q1.2 R33.2 U2.A1 | length 2645.1
  Mid-Layer 1 w6: U2.A1@1323.35,1737.96 1344.39,1759 1400.5,1759 1422,1737.5 1422,1102.05 1434.01,1090.04 1460.96,1090.04 1470,1081 1470,1034 1442,1006 1425,1006 v1(1424,1005)
  Bottom Layer w6: Q1.2@1002.6,81.69 1002.6,82.4 R33.2@915,170 874,170 730,314 730,965 771,1006 1423,1006 v1(1424,1005)
pads on no net: J1.MH1 J1.MH2 J1.MH3 J1.MH4 J1.MH5 J2.MH1 J2.MH2 J2.MH3 J2.MH4 J3.MH1 J3.MH2 J3.MH3 J3.MH4 J4.1 J4.4 J4.5 J4.8 J5.1 J5.4 J5.5 J5.8 P1.6 P1.7 P1.8 TP5.17 U1.2 U1.3 U1.6 U1.15 U1.16 U1.26 U1.27 U1.28 U2.B5 U2.B7 U2.B11 U2.B13 U2.B15 U2.B16 U2.B18 U2.C1 U2.C3 U2.C5 U2.C10 U2.D1 U2.D3 U2.D10 U2.E1 U2.E2 U2.E17 U2.E18 U2.G14 U2.H2 U2.H17 U2.K1 U2.K2 U2.K5 U2.L1 U2.L2 U2.L3 U2.L4 U2.L5 U2.M1 U2.M2 U2.M5 U2.P2 U2.P9 U2.P12 U2.R2 U2.R3 U2.R4 U2.R8 U2.R11 U2.R13 U2.T3 U2.T8 U2.T17 U2.U5 U2.U6 U2.U12 U2.U15 U2.U17 U2.V1 U2.V3 U2.V5 U2.V6 U2.V15 U2.V16 U3.2 U3.3 U3.6 U3.15 U3.16 U3.26 U3.27 U3.28 U4.2 U4.3 U4.6 U4.15 U4.16 U4.26 U4.27 U4.28 U5.10 U5.11 U6.4

## Polygon pours and split planes (outlines as drawn)
AGND on Top Layer "AGND" (solid, remove dead copper, shelved, pour order 91): 775,920 775,545 1300,545 1300,620 2000,620 2000,820 1855,820 1855,895 1600,895 1600,795 1300,795 1300,920
1V2 on Top Layer "1V2" (solid, shelved, pour order 74): 1100,2775 1240.12,2775.12 1240.12,2830.12 1310.12,2830.12 1310.12,3065.12 1220.12,3065.12 1220.12,3325.12 975.12,3325.12 975.12,3040.12 1115.12,3040.12 1115.12,2955.12 1100,2955
2V5 on Top Layer "2V5" (solid, shelved, pour order 76): 2130,2770 2280,2770 2280,2825 2350,2825 2350,3060 2260,3060 2260,3320 2015,3320 2015,3035 2155,3035 2155,2950 2130,2950.28
1V8 on Top Layer "1V8" (solid, shelved, pour order 75): 1620,2770 1770,2770 1770,2825 1840,2825 1840,3060 1750,3060 1750,3320 1505,3320 1505,3035 1645,3035 1645,2950 1620,2950.28
PH1 on Top Layer "PH1" (solid, remove dead copper, shelved, pour order 56): 875.12,2720.12 960.12,2720.12 960.12,2750.12 985.12,2775.12 1090.12,2775.12 1090.12,2970.12 1045.12,2970.12 1045.12,3025.12 875.12,3025.12
PH2 on Top Layer "PH2" (solid, remove dead copper, shelved, pour order 57): 1405,2715 1490,2715 1490,2745 1515,2770 1620,2770 1620,2965 1575,2965 1575,3020 1405,3020
PH3 on Top Layer "PH3" (solid, shelved, pour order 58): 1915,2715 2000,2715 2000,2745 2025,2770 2130,2770 2130,2965 2085,2965 2085,3020 1915,3020
GND on Top Layer "GND" (solid, remove dead copper, shelved, pour order 97): 3353.06,3373.06 3354.33,3370 3354.33,0 3353.06,-3.06 3350,-4.33 0,-4.33 -3.06,-3.06 -4.33,0 -4.33,3370 -3.06,3373.06 0,3374.33 3350,3374.33
2V5_VCCA on MidLayer3 "2V5_VCCA" (solid, remove dead copper, shelved, pour order 95): 775,920 775,545 1300,545 1300,620 2000,620 2000,820 1855,820 1855,895 1600,895 1600,795 1300,795 1300,920
1V2 on MidLayer3 "1V2" (solid, remove dead copper, shelved, pour order 83): 1100,2775 1240.12,2775.12 1240.12,2830.12 1310.12,2830.12 1310.12,3065.12 1220.12,3065.12 1220.12,3325.12 975.12,3325.12 975.12,3040.12 1115.12,3040.12 1115.12,2955.12 1100,2955
2V5 on MidLayer3 "2V5" (solid, shelved, pour order 85): 2130,2770 2280,2770 2280,2825 2350,2825 2350,3060 2260,3060 2260,3320 2015,3320 2015,3035 2155,3035 2155,2950 2130,2950.28
1V8 on MidLayer3 "1V8" (solid, shelved, pour order 84): 1620,2770 1770,2770 1770,2825 1840,2825 1840,3060 1750,3060 1750,3320 1505,3320 1505,3035 1645,3035 1645,2950 1620,2950.28
PH1 on MidLayer3 "PH1" (solid, remove dead copper, shelved, pour order 65): 875.12,2720.12 960.12,2720.12 960.12,2750.12 985.12,2775.12 1090.12,2775.12 1090.12,2970.12 1045.12,2970.12 1045.12,3025.12 875.12,3025.12
PH2 on MidLayer3 "PH2" (solid, remove dead copper, shelved, pour order 66): 1405,2715 1490,2715 1490,2745 1515,2770 1620,2770 1620,2965 1575,2965 1575,3020 1405,3020
PH3 on MidLayer3 "PH3" (solid, remove dead copper, shelved, pour order 67): 1915,2715 2000,2715 2000,2745 2025,2770 2130,2770 2130,2965 2085,2965 2085,3020 1915,3020
GND on MidLayer3 "GND" (solid, remove dead copper, shelved, pour order 101): 3353.06,3373.06 3354.33,3370 3354.33,0 3353.06,-3.06 3350,-4.33 0,-4.33 -3.06,-3.06 -4.33,0 -4.33,3370 -3.06,3373.06 0,3374.33 3350,3374.33
2V5_VCCA on Bottom Layer "2V5_VCCA" (solid, remove dead copper, shelved, pour order 96): 775,920 775,545 1300,545 1300,620 2000,620 2000,820 1855,820 1855,895 1600,895 1600,795 1300,795 1300,920
2V5 on Bottom Layer "2V5" (solid, shelved, pour order 90): 2130,2770 2280,2770 2280,2825 2350,2825 2350,3060 2260,3060 2260,3320 2015,3320 2015,3035 2155,3035 2155,2950 2130,2950.28
1V8 on Bottom Layer "1V8" (solid, shelved, pour order 89): 1620,2770 1770,2770 1770,2825 1840,2825 1840,3060 1750,3060 1750,3320 1505,3320 1505,3035 1645,3035 1645,2950 1620,2950.28
PH1 on Bottom Layer "PH1" (solid, remove dead copper, shelved, pour order 71): 875.12,2720.12 960.12,2720.12 960.12,2750.12 985.12,2775.12 1090.12,2775.12 1090.12,2970.12 1045.12,2970.12 1045.12,3025.12 875.12,3025.12
PH2 on Bottom Layer "PH2" (solid, remove dead copper, shelved, pour order 72): 1405,2715 1490,2715 1490,2745 1515,2770 1620,2770 1620,2965 1575,2965 1575,3020 1405,3020
PH3 on Bottom Layer "PH3" (solid, remove dead copper, shelved, pour order 73): 1915,2715 2000,2715 2000,2745 2025,2770 2130,2770 2130,2965 2085,2965 2085,3020 1915,3020
GND on Bottom Layer "U2 Core GND" (solid, remove dead copper, shelved, pour order 52): 1559.57,1304.89 1559.57,1501.74 1756.43,1501.74 1756.43,1304.89 1559.57,1304.89
1V2 on Bottom Layer "1V2" (solid, remove dead copper, shelved, pour order 102): 3353.06,3373.06 3354.33,3370 3354.33,0 3353.06,-3.06 3350,-4.33 0,-4.33 -3.06,-3.06 -4.33,0 -4.33,3370 -3.06,3373.06 0,3374.33 3350,3374.33
AGND on Mid-Layer 2 "AGND" (solid, remove dead copper, shelved, pour order 92): 775,920 775,545 1300,545 1300,620 2000,620 2000,820 1855,820 1855,895 1600,895 1600,795 1300,795 1300,920
1V2 on Mid-Layer 2 "1V2" (solid, remove dead copper, shelved, pour order 80): 1100,2775 1240.12,2775.12 1240.12,2830.12 1310.12,2830.12 1310.12,3065.12 1220.12,3065.12 1220.12,3325.12 975.12,3325.12 975.12,3040.12 1115.12,3040.12 1115.12,2955.12 1100,2955
2V5 on Mid-Layer 2 "2V5" (solid, shelved, pour order 82): 2130,2770 2280,2770 2280,2825 2350,2825 2350,3060 2260,3060 2260,3320 2015,3320 2015,3035 2155,3035 2155,2950 2130,2950.28
1V8 on Mid-Layer 2 "1V8" (solid, shelved, pour order 81): 1620,2770 1770,2770 1770,2825 1840,2825 1840,3060 1750,3060 1750,3320 1505,3320 1505,3035 1645,3035 1645,2950 1620,2950.28
PH1 on Mid-Layer 2 "PH1" (solid, remove dead copper, shelved, pour order 62): 875.12,2720.12 960.12,2720.12 960.12,2750.12 985.12,2775.12 1090.12,2775.12 1090.12,2970.12 1045.12,2970.12 1045.12,3025.12 875.12,3025.12
PH2 on Mid-Layer 2 "PH2" (solid, remove dead copper, shelved, pour order 63): 1405,2715 1490,2715 1490,2745 1515,2770 1620,2770 1620,2965 1575,2965 1575,3020 1405,3020
PH3 on Mid-Layer 2 "PH3" (solid, remove dead copper, shelved, pour order 64): 1915,2715 2000,2715 2000,2745 2025,2770 2130,2770 2130,2965 2085,2965 2085,3020 1915,3020
GND on Mid-Layer 2 "U2 Core GND" (solid, remove dead copper, shelved, pour order 54): 1559.57,1304.89 1559.57,1501.74 1756.43,1501.74 1756.43,1304.89 1559.57,1304.89
2V5 on Mid-Layer 2 "2V5" (solid, remove dead copper, shelved, pour order 99): 0,0 0,3370 3350,3370 3350,0 0,0
GND on Mid-Layer 1 "GND-Midlayer1" (solid, remove dead copper, shelved, pour order 98): 3353.06,3373.06 3354.33,3370 3354.33,0 3353.06,-3.06 3350,-4.33 0,-4.33 -3.06,-3.06 -4.33,0 -4.33,3370 -3.06,3373.06 0,3374.33 3350,3374.33
2V5_VCCA on Mid-Layer 1 "2V5_VCCA" (solid, remove dead copper, shelved, pour order 94): 775,920 775,545 1300,545 1300,620 2000,620 2000,820 1855,820 1855,895 1600,895 1600,795 1300,795 1300,920
1V2 on Mid-Layer 1 "1V2" (solid, remove dead copper, shelved, pour order 77): 1100,2775 1240.12,2775.12 1240.12,2830.12 1310.12,2830.12 1310.12,3065.12 1220.12,3065.12 1220.12,3325.12 975.12,3325.12 975.12,3040.12 1115.12,3040.12 1115.12,2955.12 1100,2955
2V5 on Mid-Layer 1 "2V5" (solid, shelved, pour order 79): 2130,2770 2280,2770 2280,2825 2350,2825 2350,3060 2260,3060 2260,3320 2015,3320 2015,3035 2155,3035 2155,2950 2130,2950.28
1V8 on Mid-Layer 1 "1V8" (solid, shelved, pour order 78): 1620,2770 1770,2770 1770,2825 1840,2825 1840,3060 1750,3060 1750,3320 1505,3320 1505,3035 1645,3035 1645,2950 1620,2950.28
PH1 on Mid-Layer 1 "PH1" (solid, shelved, pour order 59): 875.12,2720.12 960.12,2720.12 960.12,2750.12 985.12,2775.12 1090.12,2775.12 1090.12,2970.12 1045.12,2970.12 1045.12,3025.12 875.12,3025.12
PH2 on Mid-Layer 1 "PH2" (solid, shelved, pour order 60): 1405,2715 1490,2715 1490,2745 1515,2770 1620,2770 1620,2965 1575,2965 1575,3020 1405,3020
PH3 on Mid-Layer 1 "PH3" (solid, shelved, pour order 61): 1915,2715 2000,2715 2000,2745 2025,2770 2130,2770 2130,2965 2085,2965 2085,3020 1915,3020
GND on Mid-Layer 1 "U2 Core GND" (solid, remove dead copper, shelved, pour order 53): 1559.57,1304.89 1559.57,1501.74 1756.43,1501.74 1756.43,1304.89 1559.57,1304.89
AGND on Mid-Layer 4 "AGND" (solid, remove dead copper, shelved, pour order 93): 775,920 775,545 1300,545 1300,620 2000,620 2000,820 1855,820 1855,895 1600,895 1600,795 1300,795 1300,920
1V2 on Mid-Layer 4 "1V2" (solid, remove dead copper, shelved, pour order 86): 1223.18,3328.18 1224.45,3325.12 1224.45,3069.45 1310.12,3069.45 1313.18,3068.18 1314.45,3065.12 1314.45,2830.12 1313.18,2827.06 1310.12,2825.79 1244.45,2825.79 1244.45,2775.12 1243.78,2773.51 1243.18,2772.06 1241.62,2771.41 1240.12,2770.79 1100,2770.67 1098.49,2771.3 1096.94,2771.94 1096.3,2773.48 1095.67,2775 1095.67,2955 1096.3,2956.52 1096.91,2958.04 1096.93,2958.04 1096.94,2958.06 1098.45,2958.69 1099.97,2959.33 1110.79,2959.41 1110.79,3035.79 975.12,3035.79 972.06,3037.06 970.79,3040.12 970.79,3325.12 972.06,3328.18 975.12,3329.45 1220.12,3329.45
2V5 on Mid-Layer 4 "2V5" (solid, shelved, pour order 88): 2130,2770 2280,2770 2280,2825 2350,2825 2350,3060 2260,3060 2260,3320 2015,3320 2015,3035 2155,3035 2155,2950 2130,2950.28
1V8 on Mid-Layer 4 "1V8" (solid, shelved, pour order 87): 1620,2770 1770,2770 1770,2825 1840,2825 1840,3060 1750,3060 1750,3320 1505,3320 1505,3035 1645,3035 1645,2950 1620,2950.28
PH1 on Mid-Layer 4 "PH1" (solid, remove dead copper, shelved, pour order 68): 875.12,2720.12 960.12,2720.12 960.12,2750.12 985.12,2775.12 1090.12,2775.12 1090.12,2970.12 1045.12,2970.12 1045.12,3025.12 875.12,3025.12
PH2 on Mid-Layer 4 "PH2" (solid, remove dead copper, shelved, pour order 69): 1405,2715 1490,2715 1490,2745 1515,2770 1620,2770 1620,2965 1575,2965 1575,3020 1405,3020
PH3 on Mid-Layer 4 "PH3" (solid, remove dead copper, shelved, pour order 70): 1915,2715 2000,2715 2000,2745 2025,2770 2130,2770 2130,2965 2085,2965 2085,3020 1915,3020
GND on Mid-Layer 4 "U2 Core GND" (solid, remove dead copper, shelved, pour order 55): 1759.49,1504.8 1760.76,1501.74 1760.76,1304.89 1759.49,1301.83 1756.43,1300.56 1559.57,1300.56 1556.51,1301.83 1555.24,1304.89 1555.24,1501.74 1556.51,1504.8 1559.57,1506.07 1756.43,1506.07
1V8 on Mid-Layer 4 "1V8" (solid, remove dead copper, shelved, pour order 100): 3353.06,3373.06 3354.33,3370 3354.33,0 3353.06,-3.06 3350,-4.33 0,-4.33 -3.06,-3.06 -4.33,0 -4.33,3370 -3.06,3373.06 0,3374.33 3350,3374.33
5V0 on Internal Plane 1 (split plane): 3329.9,20.1 20.1,20.1 20.1,3349.9 3329.9,3349.9
GND on Internal Plane 2 (split plane): 3329.9,20.1 20.1,20.1 20.1,3349.9 3329.9,3349.9

## Keep-outs
Keep-Out Layer:
  lines w18: 0,0 0,3375 3,3372 3351,3372 3352,3371 3352,-2 3350,0 0,0

## Other copper
Top Layer:
  text "GND" at 95,3240 h60
Mid-Layer 1:
  text "GND" at 95,3240 h60
Mid-Layer 2:
  text "2V5" at 95,3240 h60
MidLayer3:
  text "GND" at 95,3240 h60
Mid-Layer 4:
  text "1V8" at 95,3240 h60
Bottom Layer:
  text "1V2" at 255,3240 h60

## Silkscreen, mask and mechanical layers (free items; w line width, h text height)
Top Overlay:
  lines w5: 862,500 1290,500
  lines w6: 2630,270 2630,216 2704,216 ; 2630,3185 2645,3200 2715,3200 2750,3200 ; 2780,3085 2865,3170 2940,3245 ; 2785,3180 2845,3240 ; 2820,280 2855,280 2860,275 2860,235 ; 2825,335 2865,295 2940,220 ; 2925,220 2940,220 ; 2930,3245 2940,3245 ; 2940,235 2940,220 ; 2940,3235 2940,3245 ; 2750,3200 2765,3215 ; 2750,3200 2765,3215 ; 2750,3200 2765,3215 ; 2765,3215 2765,3235 2765,3215
  lines w7.87: 1283.98,1029.3 1283.98,1360.98 ; 1283.98,1393.02 1283.98,1777.33 1408.67,1777.33 1409,1777 ; 1440,1777 1545,1777 ; 1574,1777 1629,1777 ; 1654,1777 1667,1777 ; 1692,1777 2031.69,1777 2032.02,1777.33
  lines w8: 180,2940 385,2940 385,2930 474,2930 ; 360,1058 360,1074 400,1114 449,1114 451,1114 486,1149 ; 475,2930 475,2940 680,2940 ; 598,1175 598,1762
  lines w10: -295.99,60 -275.99,0 ; -295.99,3310 -275.99,3370 ; -285.99,0 -265.99,0 ; -285.99,3370 -265.99,3370 ; -275.99,1404.09 -275.99,0 ; -275.99,1965.91 -275.99,3370 ; -255.99,60 -275.99,0 ; -255.99,3310 -275.99,3370 ; 0,-124.01 0,-104.01 ; 60,-134.01 0,-114.01 ; 60,-94.01 0,-114.01 ; 1394.09,-114.01 0,-114.01 ; 1955.91,-114.01 3350,-114.01 ; 3290,-134.01 3350,-114.01 ; 3290,-94.01 3350,-114.01 ; 3350,-124.01 3350,-104.01
  text "FLS DATA FORMATTER" at 2010,3300 h36
  text "M2FS: MICHIGAN MAGELLAN FIBER SPECTROGRAPH" at 370,3295 h36
  text "1V2" at 887,3215 h40
  text "1V8" at 1423,3215 h40
  text "2V5" at 1930,3215 h40
  text "GND" at 525,3205 h40
  text "PDWN" at 3145,3195 h36 r270
  text "DTP" at 3250,3195 h36 r270
  text "PLL_B" at 3070,3190 h36 r270
  text "IO7" at 2585,3135 h36
  text "IO9" at 2720,3135 h36
  text "EOS_B" at 2630,3030 h36
  text "1" at 1318.12,2549.12 h45
  text "1" at 1848,2544 h45
  text "1" at 2358,2544 h45
  text "GND" at 173,2459.61 h36
  text "GND" at 732,2460 h36
  text "CAM_DIG" at 173,2362.61 h36
  text "CAM_DIG" at 173,2262.61 h36
  text "LVDS CH 8" at 2125,2175 h36
  text "GND" at 173,2163.61 h36
  text "7" at 2410,2075 h36
  text "5V0" at 173,2068.61 h36
  text "6" at 2410,1975 h36
  text "5V0" at 173,1967.61 h36
  text "CAM_VS" at 599,1941 h36
  text "CAM_HS" at 599,1882 h36
  text "5" at 2410,1875 h36
  text "GND" at 173,1864.61 h36
  text "CAM_PCLK" at 599,1823 h36
  text "CARNEGIE INSTITUTION FOR SCIENCE" at 1007,1820 h40
  text "GND" at 173,1760.61 h36
  text "CAM_D[0...11]" at 624,1677 h36 r270
  text "CAM_IO" at 173,1662.61 h36
  text "4" at 2410,1625 h36
  text "CAM_IO" at 173,1563.61 h36
  text "3" at 2410,1525 h36
  text "GND" at 173,1463.61 h36
  text "2" at 2410,1435 h36
  text "3370 (mil)" at -240,1414.09 h60 r90
  text "CMOS_OE" at 173,1364.61 h36
  text "LVDS CH 1" at 2130,1330 h36
  text "CAM_FLD" at 173,1263.61 h36
  text "SCL" at 165,1165 h36
  text "SDA" at 165,1065 h36
  text "XCLKA" at 269,1016 h36
  text "GND" at 170,960 h36
  text "GND" at 362,924 h60
  text "1V2_VCCD" at 378,833 h36
  text "2V5_VCCA" at 1469,597 h45
  text "Vs" at 995,510 h50
  text "PLL_A" at 3070,440 h36 r270
  text "PDWN" at 3140,410 h36 r270
  text "DTP" at 3250,375 h36 r270
  text "EOS_A" at 2645,350 h36
  text "V17" at 2590,285 h36
  text "T18" at 2715,285 h36
  text "Hs" at 170,235 h50
  text "-alanb Rev 3.0" at 2575,60 h36
  text "AGND" at 34,28 h60
  text "3350 (mil)" at 1404.09,-150 h60
Bottom Overlay:
  lines w6: 370,125 370,135 ; 420,125 420,135 ; 615,125 615,135 ; 665,125 665,135 ; 890,125 890,135 ; 940,125 940,135 ; 1140,125 1140,135 ; 1190,125 1190,135 ; 1855,1540 1860,1540
  lines w10: 751,624 cw(c754.3,627.65) 751.84,623.39 ; 1002,1300 cw(c1005.3,1303.65) 1002.84,1299.39 ; 1932,1931 cw(c1935.3,1934.65) 1932.84,1930.39 ; 220,495 ccw(c223.28,498.67) 219.98,495.02 ; 612.02,764.98 ccw(c615.3,768.65) 612,765
  text "1V2" at 250,3240 h60
  text "D" at 2985,2525 h75
  text "LVDS CH 8" at 2435,2175 h36
  text "7" at 2435,2075 h36
  text "6" at 2435,1975 h36
  text "C" at 2985,1970 h75
  text "5" at 2435,1875 h36
  text "4" at 2435,1625 h36
  text "3" at 2435,1525 h36
  text "2" at 2435,1435 h36
  text "B" at 2985,1420 h75
  text "LVDS CH 1" at 2430,1330 h36
  text "A" at 2985,880 h75

## Text inside footprints (layer, text, board x,y; h text height)
J4: Bottom Overlay "GND" at 590,305 h15; Bottom Overlay "DATA" at 495,305 h15; Bottom Overlay "GND" at 490,205 h15; Bottom Overlay "VCC" at 585,205 h15
J5: Bottom Overlay "GND" at 1110,310 h15; Bottom Overlay "DATA" at 1015,310 h15; Bottom Overlay "VCC" at 1110,205 h15; Bottom Overlay "GND" at 1010,205 h15
P1: Top Overlay "2" at 815,2765 h50; Top Overlay "1" at 820,2870 h50; Top Overlay "9" at 35,2870 h50; Top Overlay "10" at 25,2765 h50